# Altium PCB LimeSDR_1v2s.PcbDoc (part 9 of 9)
Units mm, origin at the board's own origin, x right, y up, seen from the top; angles counter-clockwise.
Board outline 100 x 60 mm, 12 copper layers (Top, L2, L3, L4, L5, L6, L7, L8, L9, L10, L11, Bottom), stack 1.58 mm thick; 795 components, 584 nets, 3854 pads, 2079 vias.
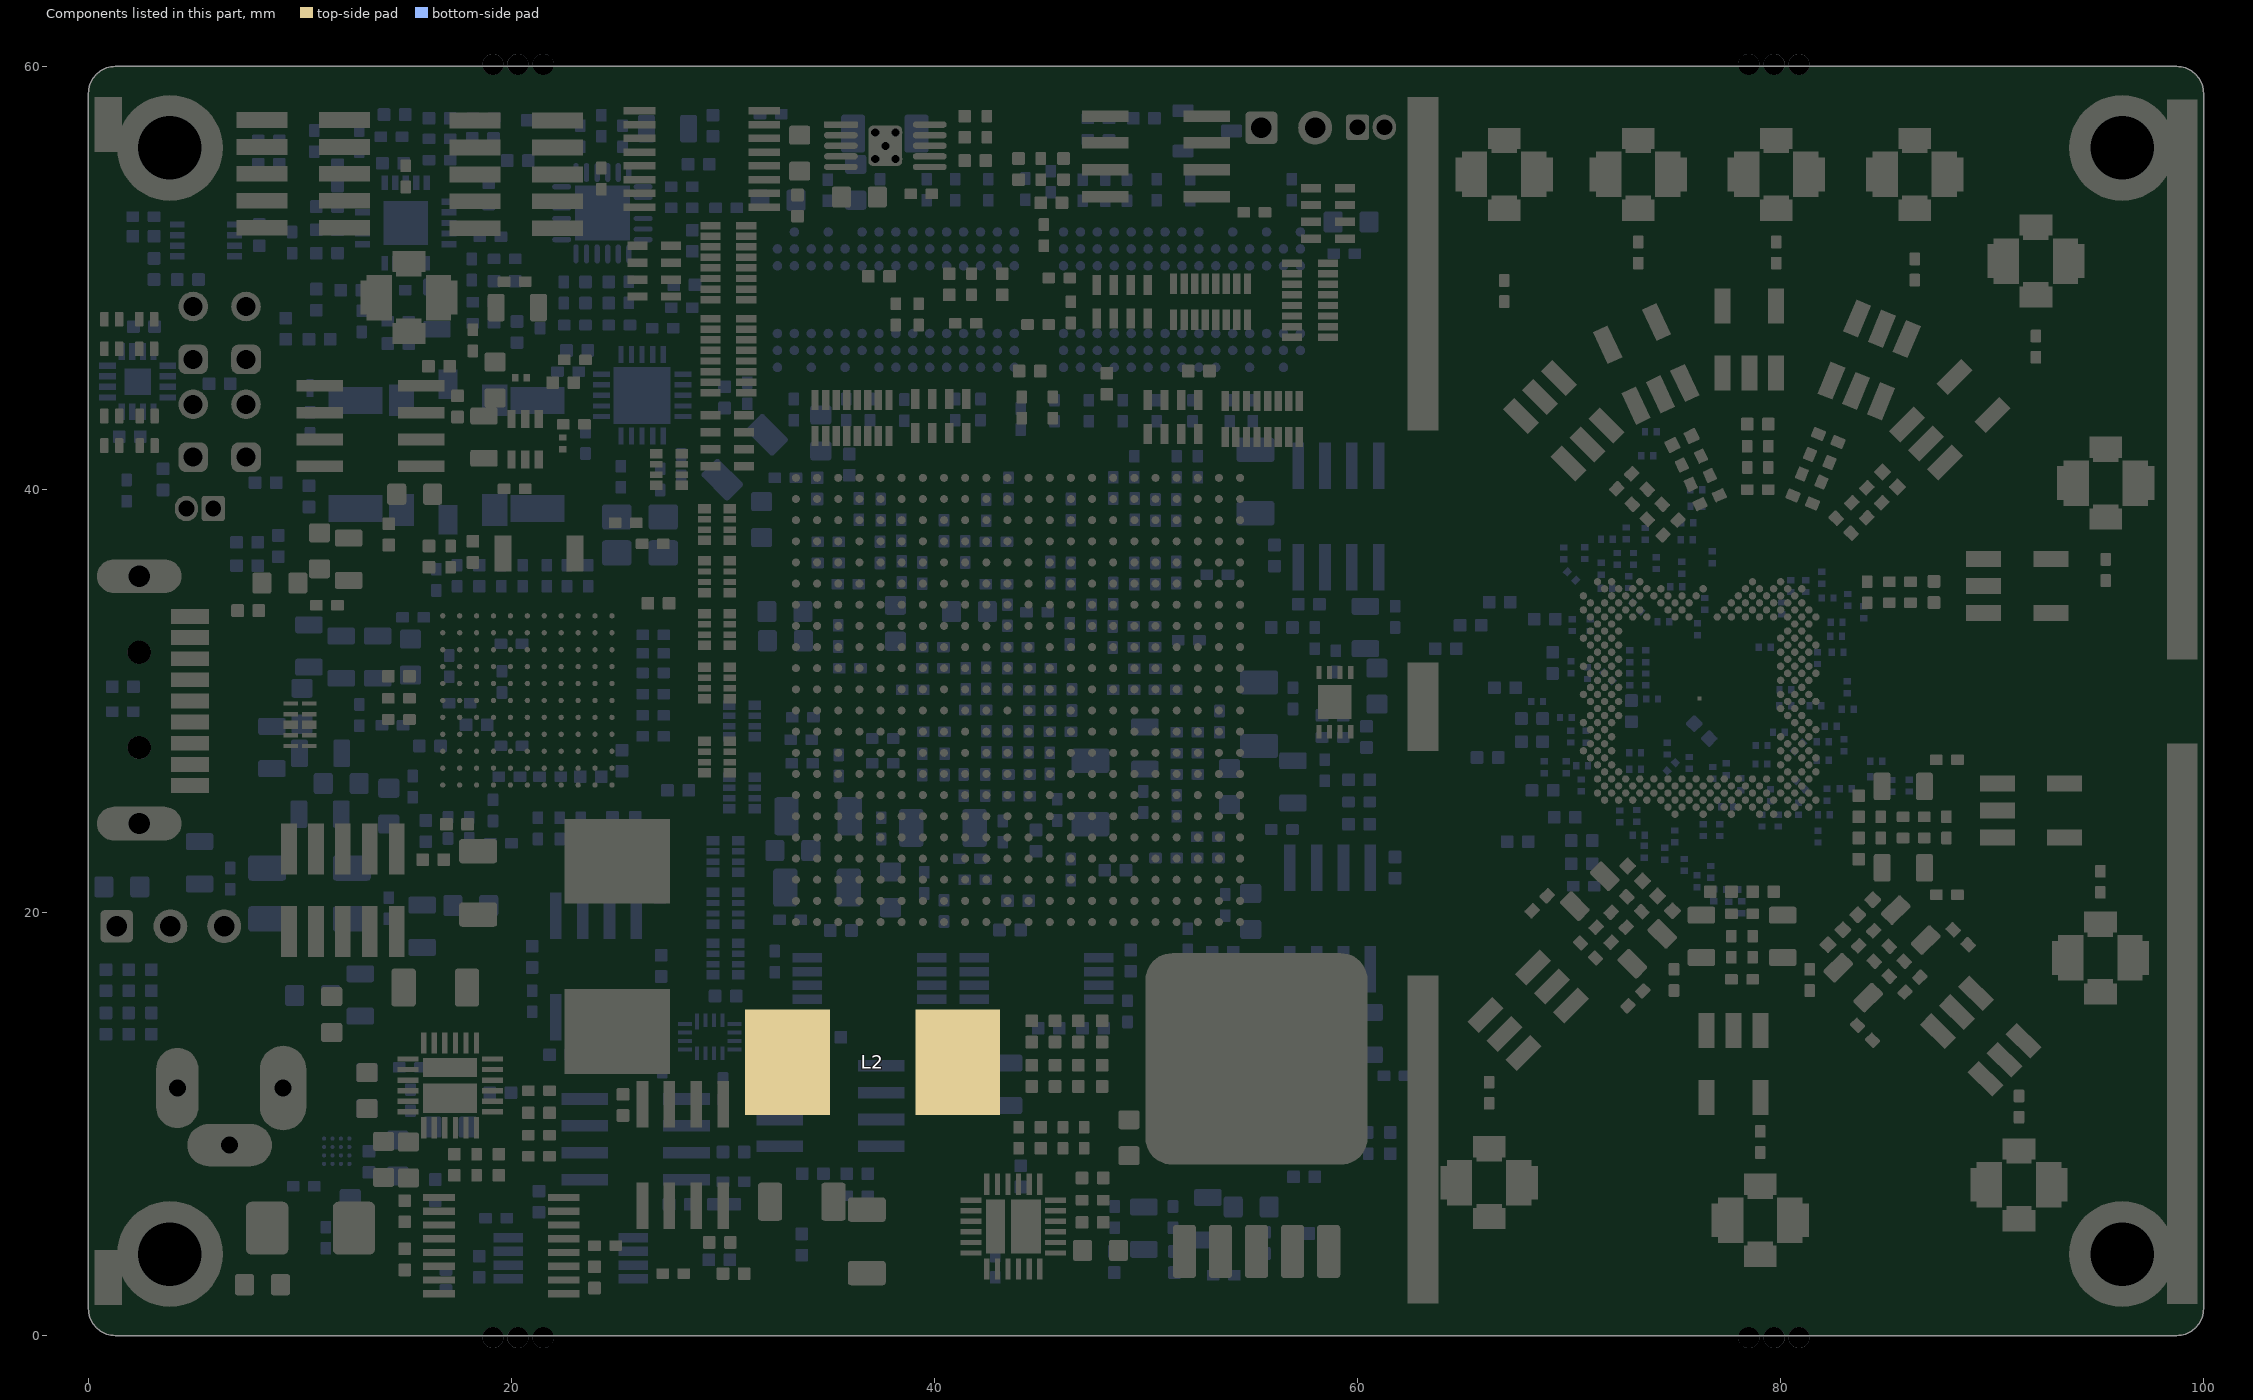
[diagram p19: the components of this part, seen from the top]

## Keep-outs
Top:
  region net GND: 1.25,0.225 98.8,0.225 98.8,1.525 1.25,1.525
  region net GND: 1.25,59.775 98.8,59.775 98.8,58.475 1.25,58.475
  region net GND: 1.45,0.225 1.25,0.225 cw(c1.25,1.25) 0.225,1.25 0.225,1.525 1.45,1.525
  region net GND: 98.566,0.225 98.766,0.225 ccw(c98.766,1.25) 99.791,1.25 99.791,1.525 98.566,1.525
  region net GND: 98.566,59.775 98.766,59.775 cw(c98.766,58.75) 99.791,58.75 99.791,58.475 98.566,58.475
  region net GND: 1.45,59.775 1.25,59.775 ccw(c1.25,58.75) 0.225,58.75 0.225,58.475 1.45,58.475
Bottom:
  region net GND: 1.25,0.225 98.8,0.225 98.8,1.525 1.25,1.525
  region net GND: 1.25,59.775 98.8,59.775 98.8,58.475 1.25,58.475
  region net GND: 1.45,0.225 1.25,0.225 cw(c1.25,1.25) 0.225,1.25 0.225,1.525 1.45,1.525
  region net GND: 98.566,0.225 98.766,0.225 ccw(c98.766,1.25) 99.791,1.25 99.791,1.525 98.566,1.525
  region net GND: 98.566,59.775 98.766,59.775 cw(c98.766,58.75) 99.791,58.75 99.791,58.475 98.566,58.475
  region net GND: 1.4,59.775 1.2,59.775 ccw(c1.2,58.75) 0.175,58.75 0.175,58.475 1.4,58.475

## Other copper
Top:
  region net VCC5P0_USB: 7.35,33.925 7.45,34.025 7.45,34.975 7.275,35.15 6.125,35.15 5.95,34.975 5.95,34.55 6.575,33.925
  region net GND: 64.009,54.1 63.5,54.1 63.5,56.1 64.009,56.1
  region net VTT_DDR2: 27.075,48.925 27.075,50.175 28.025,50.175 28.025,48.925
  region net NetC277_2: 14.625,43.975 19.25,43.975 19.45,43.775 19.45,43.075 19.35,42.975 14.625,42.975
  region net GND: 98.9,55.95 95.95,58.9 98.9,58.9
  region net GND: 98.9,4.05 95.95,1.1 98.9,1.1
  region net VCC3P3_CLK: 15.275,36.625 15.275,34.9 15.825,34.35 16.25,34.35 16.475,34.575 16.475,36.125 15.975,36.625
  pour cut-out: 3,36.5 7.975,36.5 9.15,35.325 10.325,35.325 11.45,34.2 16.575,34.2 17.15,33.625 17.15,27.225 16.975,27.225 14.3,24.55 9.1,24.55 7.2,22.65 2.975,22.65
  pour cut-out: 63.85,1.525 63.85,58.55 99.725,58.55 99.725,1.591 99.791,1.525
  region net VCC1P8_LMS: 19.675,47.85 19.675,49.35 19.075,49.35 18.85,49.575 18.5,49.575 18.35,49.425 18.35,48.775 18.575,48.55 18.575,47.45 18.975,47.05 19.325,47.05 19.325,47.5
  region net VTT_DDR2: 54.325,48.55 53.75,49.125 52.8,49.125 52.225,48.55
  region net VTT_DDR2: 34.35,56.85 34.35,57.625 34.225,57.75 33.225,57.75 33.1,57.625 33.1,56.375 33.2,56.275 33.725,56.275 34.3,56.85
  region net VTT_DDR2: 29.075,47.475 28.65,47.475 28.325,47.15 28.325,46.15 28.65,45.825 29.075,45.825
  region net VTT_DDR2: 28.925,49.725 27.075,49.725 27.075,51.725 28.025,52.675 28.925,52.675
  region net VTT_DDR2: 28.925,40.9 28.925,43.6 29.275,43.95 29.275,44.25 28.925,44.6 28.925,52.675 29.875,52.675 29.875,40.9
  region net VTT_DDR2: 57.275,43.1 58,43.825 58,47.15 58.95,47.15 59.075,47.025 59.075,43.175 57.9,42 57.425,42 57.275,42.15
  region net VCC3P3: 49.175,56.1 46.975,56.1 45.975,57.1 42.6,57.1 42.6,58.15 42.775,58.325 48.8,58.325 49.175,57.95
  region net VTT_DDR2: 49.875,43.1 57.275,43.1 57.425,42.95 57.425,42 50.025,42 49.875,42.15
  region net VTT_DDR2: 47.475,48.55 54.925,48.55 54.975,48.5 54.975,47.55 47.525,47.55 47.475,47.6
  region net VTT_DDR2: 34.175,43 34.325,43.15 41.7,43.15 41.7,42.225 41.525,42.05 34.175,42.05
  region net NetC262_2: 49.2,54.725 46.975,54.725 46.35,55.35 43.6,55.35 43.45,55.5 43.45,56.1 43.6,56.25 46.45,56.25 47.15,55.55 49.2,55.55
  region net NetIC26_4: 45.75,54.95 46.45,54.95 47,54.4 49.15,54.4 49.35,54.2 49.35,53.45 49.15,53.25 46.025,53.25 45.725,53.55 45.725,54.85 45.825,54.95
  region net VCC3P3: 38.95,57.1 42.6,57.1 42.775,57.275 42.775,58.325 39.8,58.325 38.95,57.475
  region net VCC_INT: 11.575,36.1 13.875,36.1 13.975,36 13.975,34.675 13.775,34.475 11.85,34.475 11.575,34.75
  region net +1.8V_DIG_LMK: 20.35,47.85 20.35,49.475 20.35,50.175 20.5,50.325 21.75,50.325 21.975,50.1 21.975,48.125 21.7,47.85
  region net GND: 1.25,0.225 98.8,0.225 98.8,1.525 1.25,1.525
  region net GND: 1.25,59.775 98.8,59.775 98.8,58.475 1.25,58.475
  region net NetC271_1: 46.975,7.15 45.6,7.15 45.1,6.65 44.85,6.65 44.85,7.65 45.825,8.625 45.825,9 46.325,9 46.325,8.4 46.975,7.75
  region net VCC_INT: 45.225,4.525 45.225,3.775 45.1,3.65 43.85,3.65 43.85,2.35 44.475,1.725 47.475,1.725 47.475,4.525
  region net NetC259_2: 43.1,6.65 43.325,6.425 43.325,3.875 43.1,3.65 43.1,3.425 42.85,3.425 42.85,3.65 42.425,4.075 42.425,6.075 42.225,6.275 40.925,6.275 40.7,6.5 40.7,14.3 43,14.3 43.1,14.2
  region net VCC1P2: 39.95,5.375 40.025,5.45 40.025,7.45 39.8,7.675 37.975,7.675 37.425,8.225 37.425,14.525 37.15,14.8 35.05,14.8 34.75,14.5 34.75,5.65 35.025,5.375
  region net VCC1P8_LMS: 87.105,27.472 86.405,26.772 86.405,25.447 86.555,25.297 87.355,25.297 87.68,25.622 87.68,27.472
  region net GND: 88.38,27.472 88.68,27.772 89.105,27.772 89.23,27.647 89.23,26.797 89.105,26.672 88.68,26.672 88.38,26.972
  region net VCC1P8_LMS: 68.982,21.166 69.972,21.166 70.909,20.229 70.909,20.017 70.343,19.452 69.883,19.452 68.575,20.76
  region net VCC1P8_LMS: 87.105,20.573 86.405,21.273 86.405,22.598 86.555,22.748 87.355,22.748 87.68,22.423 87.68,20.573
  region net VCC1P8_LMS: 83.275,14.676 83.275,15.666 84.212,16.603 84.424,16.603 84.99,16.037 84.99,15.578 83.681,14.27
  region net GND: 84.529,14.127 84.954,14.127 85.254,13.827 85.254,13.65 84.653,13.049 84.476,13.049 84.176,13.35 84.176,13.774
  region net GND: 81.63,16.299 81.93,15.999 81.93,15.574 81.805,15.449 80.955,15.449 80.83,15.574 80.83,15.999 81.13,16.299
  region net VCC1P8_LMS: 81.63,17.574 80.93,18.274 79.605,18.274 79.455,18.124 79.455,17.324 79.78,16.999 81.63,16.999
  region net VCC1P8_LMS: 73.86,16.288 73.86,17.278 72.923,18.215 72.711,18.215 72.145,17.649 72.145,17.189 73.453,15.881
  region net GND: 72.958,15.386 72.958,14.962 72.658,14.662 72.481,14.662 71.88,15.263 71.88,15.439 72.181,15.74 72.605,15.74
  region net GND: 75.23,16.299 75.53,15.999 75.53,15.574 75.405,15.449 74.555,15.449 74.43,15.574 74.43,15.999 74.73,16.299
  region net VCC1P8_LMS: 74.731,17.574 75.431,18.274 76.756,18.274 76.906,18.124 76.906,17.324 76.581,16.999 74.731,16.999
  region net RXRF2_HAB_N: 79.326,36.044 79.301,35.844 79.401,35.944
  region net GND: 68.433,19.912 68.433,19.488 68.132,19.187 67.956,19.187 67.355,19.788 67.355,19.965 67.655,20.265 68.079,20.265
  region net GND: 72.201,30.969 72.901,30.969 72.901,30.469 72.601,30.469
  region net GND: 88.38,21.072 88.68,21.372 89.105,21.372 89.23,21.247 89.23,20.397 89.105,20.272 88.68,20.272 88.38,20.572
  region net VCC1P8_LMS: 88.153,19.554 87.163,19.554 86.226,18.618 86.226,18.405 86.792,17.84 87.252,17.84 88.56,19.148
  region net GND: 89.055,18.653 89.479,18.653 89.78,18.352 89.78,18.176 89.179,17.575 89.002,17.575 88.701,17.875 88.701,18.299
  region net RXRF2_WAB_N: 81.051,34.924 81.226,34.874 81.226,34.924
  region net RXRF2_WAB_N: 81.051,35.019 81.226,35.069 81.226,35.019
  region net RXRF2_HAB_P: 79.676,35.644 79.801,35.844 79.676,35.844
  region net TXRF1_1AB_P: 79.639,24.344 79.564,24.344 79.464,24.444
  region net TXRF2_1AB_P: 78.085,24.344 78.11,24.069 78.085,24.069
  region net TXRF2_1AB_N: 78.276,24.344 78.251,24.069 78.276,24.069
  region net TXRF2_1AB_P: 77.96,24.369 77.91,24.019 77.96,24.019
  region net TXRF2_1AB_N: 78.401,24.394 78.451,24.044 78.401,24.044
  region net NetC240_2: 18.6,12.45 18.375,12.225 15.825,12.225 15.6,12.45 15.375,12.45 15.375,12.7 15.6,12.7 16.025,13.125 18.025,13.125 18.225,13.325 18.225,14.625 18.45,14.85 26.25,14.85 26.25,12.55 26.15,12.45
  region net VCC3P3: 17.325,15.6 17.4,15.525 19.4,15.525 19.625,15.75 19.625,17.575 20.175,18.125 26.475,18.125 26.75,18.4 26.75,20.5 26.45,20.8 17.6,20.8 17.325,20.525
  region net NetC252_1: 19.1,8.575 19.1,9.95 18.6,10.45 18.6,10.7 19.6,10.7 20.575,9.725 20.95,9.725 20.95,9.225 20.35,9.225 19.7,8.575
  region net VCC_INT: 16.475,10.325 15.725,10.325 15.6,10.45 15.6,11.7 14.3,11.7 13.675,11.075 12.15,11.075 12.15,9.25 16.475,9.25
  region net GND: 78.24,6.525 76.39,6.525 76.115,6.25 76.115,4.25 77.665,2.7 79.04,2.7 79.04,4.475 78.24,4.475
  region net GND: 79.84,6.525 81.69,6.525 81.965,6.25 81.965,4.25 80.415,2.7 79.04,2.7 79.04,4.475 79.84,4.475
  region net GND: 67.025,8.3 68.875,8.3 69.15,8.025 69.15,6.025 67.6,4.475 66.225,4.475 66.225,6.25 67.025,6.25
  region net GND: 65.425,8.3 63.575,8.3 63.3,8.025 63.3,6.025 64.85,4.475 66.225,4.475 66.225,6.25 65.425,6.25
  region net GND: 92.075,8.2 93.925,8.2 94.2,7.925 94.2,5.925 92.65,4.375 91.275,4.375 91.275,6.15 92.075,6.15
  region net GND: 90.475,8.2 88.625,8.2 88.35,7.925 88.35,5.925 89.9,4.375 91.275,4.375 91.275,6.15 90.475,6.15
  region net GND: 95.925,18.925 97.775,18.925 98.05,18.65 98.05,16.65 96.5,15.1 95.125,15.1 95.125,16.875 95.925,16.875
  region net GND: 94.325,18.925 92.475,18.925 92.2,18.65 92.2,16.65 93.75,15.1 95.125,15.1 95.125,16.875 94.325,16.875
  region net GND: 94.575,39.225 92.725,39.225 92.45,39.5 92.45,41.5 94,43.05 95.375,43.05 95.375,41.275 94.575,41.275
  region net GND: 96.175,39.225 98.025,39.225 98.3,39.5 98.3,41.5 96.75,43.05 95.375,43.05 95.375,41.275 96.175,41.275
  region net GND: 91.275,49.725 89.425,49.725 89.15,50 89.15,52 90.7,53.55 92.075,53.55 92.075,51.775 91.275,51.775
  region net GND: 92.875,49.725 94.725,49.725 95,50 95,52 93.45,53.55 92.075,53.55 92.075,51.775 92.875,51.775
  region net GND: 85.55,53.825 83.7,53.825 83.425,54.1 83.425,56.1 84.975,57.65 86.35,57.65 86.35,55.875 85.55,55.875
  region net GND: 87.15,53.825 89,53.825 89.275,54.1 89.275,56.1 87.725,57.65 86.35,57.65 86.35,55.875 87.15,55.875
  region net GND: 79,53.825 77.15,53.825 76.875,54.1 76.875,56.1 78.425,57.65 79.8,57.65 79.8,55.875 79,55.875
  region net GND: 80.6,53.825 82.45,53.825 82.725,54.1 82.725,56.1 81.175,57.65 79.8,57.65 79.8,55.875 80.6,55.875
  region net GND: 72.475,53.825 70.625,53.825 70.35,54.1 70.35,56.1 71.9,57.65 73.275,57.65 73.275,55.875 72.475,55.875
  region net GND: 74.075,53.825 75.925,53.825 76.2,54.1 76.2,56.1 74.65,57.65 73.275,57.65 73.275,55.875 74.075,55.875
  region net GND: 66.134,53.825 64.284,53.825 64.009,54.1 64.009,56.1 65.559,57.65 66.934,57.65 66.934,55.875 66.134,55.875
  region net GND: 67.734,53.825 69.584,53.825 69.859,54.1 69.859,56.1 68.309,57.65 66.934,57.65 66.934,55.875 67.734,55.875
  region net GND: 17.75,31.75 16.475,31.75 16.375,31.65 16.375,31.2 16.45,31.125 16.925,31.125 17.5,30.55 17.625,30.55 17.65,30.575 17.65,31.45 17.75,31.55
  region net GND: 17.5,30.55 17.825,30.225 18.1,30.225 18.15,30.275 18.15,30.513 17.65,31.013
  region net VCC_INT: 16.475,9.25 15.95,8.725 12.425,8.725 12.25,8.9 12.275,8.925 12.275,9.25
  region net NetC228_2: 28.525,7.325 28.125,6.925 28.125,3.55 27.85,3.275 27.85,2.575 28.1,2.325 30.05,2.325 30.3,2.575 30.3,3.275 29.65,3.925 29.65,4.75 29.375,5.025 29.375,6.925 28.975,7.325
  region net VCC3P3: 22.5,24.425 21.825,24.425 21,23.6 21,21.45 20.35,20.8 22.5,20.8
  region net GND: 74.717,24.35 75.275,24.35 75.362,24.262 75.175,24.075 74.675,24.075
  region net VCC1P8_DDR2: 36.375,56.575 36.575,56.775 36.575,58.325 34.5,58.325 34.5,56.925 34.85,56.575
  region net VREF_DDR2: 38.825,55.4 38.55,55.125 38.55,54.725 38.95,54.325 39.575,54.325 39.575,53.625 41.3,53.625 42.05,54.375 42.05,54.925 41.875,55.1 40.875,55.1 40.575,55.4
  region net VCC2P5: 30.7,3.275 30.975,3.55 31.725,3.55 31.925,3.35 31.925,2.025 31.675,1.775 30.875,1.775 30.7,1.95
  region net VCC2P5A: 44.25,12.075 48.575,12.075 49.1,11.55 49.1,10.975 48.925,10.8 45.975,10.8 45.3,11.475 44.3,11.475 44.25,11.525
  region net VCC1P2: 31.05,15.425 31.55,15.925 31.55,16.625 31.8,16.875 34.6,16.875 35.05,16.425 35.05,15.425
  region net VCC3P3: 25.825,4.975 27.75,4.975 27.85,5.075 27.85,7.225 27.75,7.325 25.775,7.325 25.7,7.25 25.7,5.1
  region net NetC237_1: 11.5,3.5 11.75,3.25 13.6,3.25 14.075,3.725 14.075,6.225 13.775,6.525 11.75,6.525 11.5,6.275
  region net VCC_EXT: 6.875,4.075 7.175,3.775 9.675,3.775 9.975,4.075 9.975,6.225 9.675,6.525 7.15,6.525 6.875,6.25
  region net VCC_INT: 12.275,8.925 12.275,8.475 12.625,8.125 13.4,8.125 13.825,8.55 13.825,8.9 13.8,8.925
  region net GND: 1.1,4.05 4.05,1.1 1.1,1.1
  region net GND: 1.1,55.95 4.05,58.9 1.1,58.9
  region net GND: 9.45,34.1 9.55,34 10.225,34 10.35,34.125 10.35,35.95 10.25,36.05 9.65,36.05 9.45,35.85
  region net FX3_VBUS: 8.8,33.85 7.825,33.85 7.75,33.925 7.75,35.9 8.275,35.9 8.925,35.25 8.925,33.975
  region net NetC276_2: 52.73,5.245 52.278,5.698 52.278,6.5 52.526,6.749 53.831,6.749 54.28,6.3 54.28,2.85 54.03,2.6 52.98,2.6 52.73,2.85
  region net VCC1P8: 10.825,13.75 13.2,13.75 13.325,13.875 13.325,14.875 13.2,15 10.825,15 10.7,14.875 10.7,13.875
  region net NetC280_2: 13.075,37.3 13.075,39.975 12.45,40.6 11.05,40.6 10.05,39.6 10.05,37.825 10.575,37.3
  region net NetC280_2: 11.975,40.6 12.2,40.825 12.2,41.8 13.15,42.75 16.825,42.75 16.825,41.625 14.275,41.625 13.225,40.575 13.225,39.925 13,39.7 11.975,39.7
  region net NetIC30_4: 14.625,45.2 16.175,45.2 17,46.025 17.25,46.025 17.75,45.525 17.75,44.175 17.8,44.125 16.675,44.125 16.175,44.625 14.625,44.625
  region net NetC277_2: 19.45,43.075 19.65,43.275 19.65,43.9 19.575,43.975 19.25,43.975
  region net NetC281_2: 16.825,41.4 14.525,41.4 13.875,40.75 13.875,39.775 13.625,39.525 13.625,38.275 13.825,38.075 15.125,38.075 15.425,38.375 15.425,40.375 15.75,40.7 16.825,40.7
  region net GND: 98.441,0.225 98.641,0.225 ccw(c98.641,1.25) 99.666,1.25 99.666,1.525 98.441,1.525
  region net GND: 1.45,0.225 1.25,0.225 cw(c1.25,1.25) 0.225,1.25 0.225,1.525 1.45,1.525
  region net GND: 1.6,59.775 1.4,59.775 ccw(c1.4,58.75) 0.375,58.75 0.375,58.475 1.6,58.475
  region net GND: 98.566,59.775 98.766,59.775 cw(c98.766,58.75) 99.791,58.75 99.791,58.475 98.566,58.475
  text "Layer" at 123.714,139.868 h1.52
  text "Name" at 134.126,139.868 h1.52
  text "Material" at 156.218,139.868 h1.52
  text "Thickness" at 178.056,139.868 h1.52
  text "Constant" at 194.562,139.868 h1.52
  text "Board Layer Stack" at 209.037,139.868 h1.52
  text "1" at 123.714,136.82 h1.52
  text "TopOverlay" at 134.126,136.82 h1.52
  text "2" at 123.714,133.772 h1.52
  text "TopSolder" at 134.126,133.772 h1.52
  text "Solder Resist" at 156.218,133.772 h1.52
  text "0,40mil" at 178.056,133.772 h1.52
  text "3,5" at 194.562,133.772 h1.52
  text "3" at 123.714,130.724 h1.52
  text "Top" at 134.126,130.724 h1.52
  text "Copper" at 156.218,130.724 h1.52
  text "0,70mil" at 178.056,130.724 h1.52
  text "4" at 123.714,127.676 h1.52
  text "Dielectric1" at 134.126,127.676 h1.52
  text "FR-4" at 156.218,127.676 h1.52
  text "6,69mil" at 178.056,127.676 h1.52
  text "4,8" at 194.562,127.676 h1.52
  text "5" at 123.714,124.628 h1.52
  text "L2" at 134.126,124.628 h1.52
  text "Copper" at 156.218,124.628 h1.52
  text "1,40mil" at 178.056,124.628 h1.52
  text "6" at 123.714,121.58 h1.52
  text "Dielectric2" at 134.126,121.58 h1.52
  text "FR-4" at 156.218,121.58 h1.52
  text "3,94mil" at 178.056,121.58 h1.52
  text "4,2" at 194.562,121.58 h1.52
  text "7" at 123.714,118.532 h1.52
  text "L3" at 134.126,118.532 h1.52
  text "Copper" at 156.218,118.532 h1.52
  text "1,18mil" at 178.056,118.532 h1.52
  text "8" at 123.714,115.484 h1.52
  text "Dielectric3" at 134.126,115.484 h1.52
  text "FR-4" at 156.218,115.484 h1.52
  text "3,94mil" at 178.056,115.484 h1.52
  text "4,2" at 194.562,115.484 h1.52
  text "9" at 123.714,112.436 h1.52
  text "L4" at 134.126,112.436 h1.52
  text "Copper" at 156.218,112.436 h1.52
  text "1,34mil" at 178.056,112.436 h1.52
  text "10" at 123.714,109.388 h1.52
  text "Dielectric 4" at 134.126,109.388 h1.52
  text "3,94mil" at 178.056,109.388 h1.52
  text "4,2" at 194.562,109.388 h1.52
  text "11" at 123.714,106.34 h1.52
  text "L5" at 134.126,106.34 h1.52
  text "Copper" at 156.218,106.34 h1.52
  text "1,18mil" at 178.056,106.34 h1.52
  text "12" at 123.714,103.292 h1.52
  text "Dielectric 10" at 134.126,103.292 h1.52
  text "3,54mil" at 178.056,103.292 h1.52
  text "4,2" at 194.562,103.292 h1.52
  text "13" at 123.714,100.244 h1.52
  text "L6" at 134.126,100.244 h1.52
  text "Copper" at 156.218,100.244 h1.52
  text "1,18mil" at 178.056,100.244 h1.52
  text "14" at 123.714,97.196 h1.52
  text "Dielectric 11" at 134.126,97.196 h1.52
  text "3,54mil" at 178.056,97.196 h1.52
  text "4,2" at 194.562,97.196 h1.52
  text "15" at 123.714,94.148 h1.52
  text "L7" at 134.126,94.148 h1.52
  text "Copper" at 156.218,94.148 h1.52
  text "1,42mil" at 178.056,94.148 h1.52
  text "16" at 123.714,91.1 h1.52
  text "Dielectric 5" at 134.126,91.1 h1.52
  text "3,94mil" at 178.056,91.1 h1.52
  text "4,2" at 194.562,91.1 h1.52
  text "17" at 123.714,88.052 h1.52
  text "L8" at 134.126,88.052 h1.52
  text "Copper" at 156.218,88.052 h1.52
  text "1,42mil" at 178.056,88.052 h1.52
  text "18" at 123.714,85.004 h1.52
  text "Dielectric 7" at 134.126,85.004 h1.52
  text "3,94mil" at 178.056,85.004 h1.52
  text "4,2" at 194.562,85.004 h1.52
  text "19" at 123.714,81.956 h1.52
  text "L9" at 134.126,81.956 h1.52
  text "Copper" at 156.218,81.956 h1.52
  text "1,18mil" at 178.056,81.956 h1.52
  text "20" at 123.714,78.908 h1.52
  text "Dielectric 6" at 134.126,78.908 h1.52
  text "3,94mil" at 178.056,78.908 h1.52
  text "4,2" at 194.562,78.908 h1.52
  text "21" at 123.714,75.86 h1.52
  text "L10" at 134.126,75.86 h1.52
  text "Copper" at 156.218,75.86 h1.52
  text "1,18mil" at 178.056,75.86 h1.52
  text "22" at 123.714,72.812 h1.52
  text "Dielectric 8" at 134.126,72.812 h1.52
  text "3,94mil" at 178.056,72.812 h1.52
  text "4,2" at 194.562,72.812 h1.52
  text "23" at 123.714,69.764 h1.52
  text "L11" at 134.126,69.764 h1.52
  text "Copper" at 156.218,69.764 h1.52
  text "1,18mil" at 178.056,69.764 h1.52
  text "24" at 123.714,66.716 h1.52
  text "Dielectric 9" at 134.126,66.716 h1.52
  text "6,81mil" at 178.056,66.716 h1.52
  text "4,2" at 194.562,66.716 h1.52
  text "25" at 123.714,63.668 h1.52
  text "Bottom" at 134.126,63.668 h1.52
  text "Copper" at 156.218,63.668 h1.52
  text "0,70mil" at 178.056,63.668 h1.52
  text "26" at 123.714,60.62 h1.52
  text "BottomSolder" at 134.126,60.62 h1.52
  text "Solder Resist" at 156.218,60.62 h1.52
  text "0,40mil" at 178.056,60.62 h1.52
  text "3,5" at 194.562,60.62 h1.52
  text "27" at 123.714,57.572 h1.52
  text "BottomOverlay" at 134.126,57.572 h1.52
L2:
  region net GND: 13.7,37.775 13.85,37.925 13.85,38.425 13.675,38.6 9.472,38.6 9.295,38.423 9.3,38.418 9.3,38.3 9.119,38.119 9.098,38.119 9.05,38.072 9.05,37.775
  region net FX3_GND: 9.192,37.175 13.408,37.175 13.408,36.658 13.15,36.4 9.275,36.4 9.2,36.475
L3:
  region net VCC2P5A: 49.675,12.575 49.675,13.8 48.825,14.65 48.382,14.65 47.857,14.125 47.857,13.843 48.25,13.45 48.25,12.775 48.45,12.575
  region net VDIO_LMS: 48.65,5.575 48.65,6.5 48.85,6.7 50.85,6.7 51.025,6.525 51.025,5.575 50.85,5.4 48.825,5.4
  region net VCC3P3_CLK: 23.125,46.75 24.875,46.75 25,46.625 25,46.275 24.875,46.15 24.175,46.15 23.575,45.55 23.125,45.55
L5:
  region net VDIO_LMS: 72.3,28.85 72.45,29 73,29 73.175,28.825 73.175,28.225 73,28.05 72.425,28.05 72.3,28.175 72.3,28.425 72.125,28.6 72.125,28.7
L8:
  region net VCC1P8_LMS: 63.3,35.925 63.275,35.425 63.4,35.3 63.736,35.3 64.2,35.6 64.2,35.9
  region net VCC1P8_LMS: 66.575,41.025 64.675,41.025 63.659,42.041 62.847,42.041 62.283,41.477 62.283,41.292 65.2,38.375 65.375,38.375 66.575,39.575
L9:
  region net FX3_VBUS: 8.925,33.938 9.1,34.113 9.1,34.8 8.913,34.988 8.425,34.987 8.225,34.787 8.225,34.112 8.4,33.937
L10:
  region net VCC1P25_LMS: 64.925,18.275 63.65,18.275 63.15,17.775 62.6,17.775 62.425,17.6 62.425,16.975 63.125,16.275 64.85,16.275
  region net VCC1P25_LMS: 61.55,41.925 62.5,41.925 62.975,42.4 62.975,42.825 62.925,42.875 61.55,42.875
  region net VCC1P25_LMS: 55.375,34.7 56.525,34.7 57.9,36.075 57.9,38.2 55.375,38.2
  text "A" at 96.275,9.125 h0.7
  text "V" at 97.275,9.125 h0.7
  text "L" at 96.75,8.55 h0.7
  text "D" at 96.5,6.925 h0.7
  text "R" at 97.05,6.925 h0.7
Bottom:
  pour cut-out: 5.075,33.625 5.075,28.5 5.525,28.05 9.175,28.05 9.5,28.375 9.5,33.725 9.225,34 5.45,34
  region net VCC1P2: 7.925,27.2 7.925,25.2 8.65,24.475 9.775,24.475 9.95,24.65 9.95,27.1 9.85,27.2
  region net GND: 0.225,55.675 0.225,58.725 3.5,58.725 1.545,55.675
  region net GND: 0.225,4.5 0.225,1.45 3.5,1.45 1.545,4.5
  region net GND: 98.9,2.575 96.95,2.575 96.95,1.225 98.9,1.225
  region net VDIO_LMS_FPGA: 28.625,57.875 28.8,57.7 28.8,56.5 28.7,56.4 27.825,56.4 27.6,56.625 27.6,57.775 27.7,57.875
  region net VCC1P25_LMS_DIG: 55.25,4.175 55.25,2.525 56.1,1.675 60.225,1.675 60.55,2 60.55,3.35 60.25,3.65 59.55,3.65 59.175,3.275 57.675,3.275 56.775,4.175
  region net VCC3P3_CLK: 10.25,45.65 10.5,45.9 10.5,46.425 10.65,46.575 11.075,46.575 11.3,46.35 11.3,45.475 10.75,44.925 10.25,44.925
  region net VCC1P25_LMS_DIG: 62.575,31.7 62.825,31.45 63.3,31.45 63.975,32.125 63.975,32.825 62.7,32.825 62.575,32.7
  region net VCC1P4_LMS: 60.275,27.05 60.525,27.3 63.2,27.3 63.475,27.025 63.475,26.175 63.05,25.75 60.45,25.75 60.275,25.925
  region net VCC3P3: 58.8,26.925 58.8,29.5 58.625,29.675 56.825,29.675 55.675,28.525 55.15,28 55.15,27.3 55.675,26.775 58.65,26.775
  region net NetC251_2: 58.875,21.025 58.875,25.2 59.075,25.4 59.075,26.55 59.225,26.7 59.925,26.7 60.075,26.55 60.075,21.2 59.9,21.025
  region net NetIC24_4: 60.325,21.025 60.275,21.075 60.275,24.525 60.9,24.525 62.125,23.3 62.125,22.325 61.425,22.325 61.1,22 61.1,21.225 60.9,21.025
  region net NetC264_2: 59.45,37.45 59.45,34.25 59.625,34.075 62.025,34.075 62.125,34.175 62.125,36.9 61.575,37.45
  region net VCC1P25_LMS: 56.225,34.65 55.625,35.25 55.625,35.95 55.45,36.125 54.6,36.125 54.425,35.95 54.425,33.6 54.9,33.125 56.225,33.125
  region net NetIC27_4: 57.5,34.225 57.5,36.25 57.075,36.675 55.725,36.675 55.725,35.325 56.825,34.225
  region net NetC265_2: 58.175,37.6 57.875,37.3 57.875,34.15 57.725,34 56.8,34 56.625,33.825 56.625,33.125 56.825,32.925 58.725,32.925 59.125,33.325 59.125,37.275 58.8,37.6
  region net VCC3P3: 58.625,32.775 59.325,32.775 59.575,33.025 59.575,33.425 59.625,33.475 60.95,33.475 61.125,33.3 61.125,32.15 61,32.025 58.75,32.025 58.625,32.15
  region net VCC5P0_USB: 11.775,6.025 11.338,6.462 11.338,7.363 13.612,7.363 13.613,7.363 13.613,6.663 12.975,6.025
  region net VCC3P3: 52.075,3.275 52.25,3.45 52.25,4.95 52.375,5.075 53.425,5.075 53.575,4.925 53.575,4.225 53.575,2.2 53.325,1.95 51.225,1.95 50.925,2.25 50.925,3.05 51.15,3.275
  region net NetC77_1: 69.938,35.842 69.796,35.7 69.225,35.7 69.201,35.724 69.201,36.855
  region net VCC3P3: 54.725,6.975 54.725,14.75 55.85,15.875 57.625,15.875 57.65,15.85 57.65,15.025 56.275,13.65 56.275,7.25 56,6.975
  region net GND: 54.55,15.05 55.6,16.1 62.138,16.1 62.138,18.525 56.325,18.525 54.825,18.525 54.65,18.35 54.65,17.875 54.35,17.575 51.175,17.575 50.8,17.2 50.8,14.925 50.2,14.325 50.2,7.375 50.525,7.05 54.55,7.05
  region net VDIO_LMS_FPGA: 48.2,4.475 48.2,3.7 48.4,3.5 49.675,3.5 49.675,3.475 50.025,3.125 50.75,3.125 50.75,3.15 51.275,3.675 51.7,3.675 51.7,4.325 51.55,4.475
  region net VCC3P3: 15.025,18.75 15.175,18.9 17.85,18.9 18.25,18.5 18.25,17.975 17.925,17.65 15.2,17.65 15.025,17.825
  region net VCC1P8: 12.175,13.75 12.175,15.425 12.275,15.525 13.4,15.525 13.6,15.325 13.6,13.9 13.45,13.75
  region net VCC1P8_FX3: 11.925,15.5 11.925,15.925 12.1,16.1 13.275,16.1 13.55,16.375 13.55,17.5 13.4,17.65 11.475,17.65 11,17.175 11,15.6 11.1,15.5
  region net VDIO_LMS: 33.275,15.675 33.275,17.425 34.7,17.425 34.7,15.675
  region net NetC162_1: 15.825,30.1 16.05,30.325 16.525,30.325 16.65,30.45 16.65,30.9 16.525,31.025 16.025,31.025 15.875,30.875 15.875,30.775 15.775,30.675 15.575,30.675 15.375,30.475 15.8,30.05 15.825,30.05
  region net GND: 1.25,0.225 98.8,0.225 98.8,1.525 1.25,1.525
  region net GND: 1.25,59.775 98.8,59.775 98.8,58.475 1.25,58.475
  region net NetC259_2: 43.125,3.45 42.625,3.45 42.625,6.175 42.725,6.275 43.025,6.275 43.125,6.175
  region net NetC240_2: 15.4,12.425 15.4,12.925 18.125,12.925 18.225,12.825 18.225,12.525 18.125,12.425
  region net +1.8V_DIG_LMK: 20.8,49.088 21.75,49.088 22.15,49.488 22.725,49.488 23,49.763 23,51.563 22.875,51.563 20.8,49.488
  region net VCC3P3_CLK: 14.65,54.15 14.65,54.975 14.15,54.975 14.15,55.925 13.475,55.925 13.475,54.15
  region net GND: 13.475,51.45 13.475,50 13.5,49.975 14.65,49.975 14.65,51.45
  region net GND: 13.55,53.65 14.3,53.65 14.3,51.4 13.55,51.4
  region net NetC204_2: 15.35,51.05 15.35,49.925 16.55,49.925 16.55,51.05
  region net GND: 15.85,54.025 16.6,54.025 16.6,51.175 15.85,51.175
  region net GND: 11.975,50.075 12.2,50.075 12.2,49.875 11.975,49.875
  region net GND: 12.05,50.245 11.92,50.245 11.175,49.5 11.175,48.875 11.2,48.85 12.05,48.85
  region net NetC188_2: 3.85,51.375 3.85,52.675 4.55,52.675 4.55,51.375
  region net NetIC14_2: 6.55,52.175 6.55,51.375 7.25,51.375 7.25,52.175
  region net GND: 73.903,30.887 74.478,30.312 74.478,29.912 74.328,29.762 73.453,29.762 73.453,28.712 72.778,28.037 72.953,27.862 73.528,28.437 75.728,28.437 75.403,28.762 75.403,29.012 75.828,29.437 76.003,29.437 76.778,28.662 77.428,28.012 78.428,28.012 78.603,28.187 79.228,28.187 79.228,30.562 79.703,31.037 79.703,32.212 78.853,32.212 78.728,32.337 78.728,32.737 78.853,32.862 79.303,32.862 79.703,33.262 79.703,36.173 79.703,40.649 77.553,40.649 77.553,33.937 77.553,34.237 76.928,33.612 76.928,33.312 76.803,33.187 75.578,33.187 75.378,33.387 73.903,33.387
  region net NetC77_1: 69.938,35.842 70.451,36.355 70.451,36.655 70.451,36.78 70.351,36.88 69.226,36.88 69.201,36.855 69.201,36.58
  region net GND: 76.926,27.88 76.926,27.355 78.551,27.355 78.551,27.88
  region net GND: 71.348,32.984 71.348,32.151 71.151,31.955 70.226,31.955 70.201,31.98 70.201,33.18 70.301,33.28 71.052,33.28
  region net NetC26_1: 73.001,32.88 72.401,32.88 72.201,32.68 72.201,32.58 72.501,32.28 73.001,32.28
  region net VDIO_LMS: 72.176,28.73 72.726,29.28 72.976,29.28 72.976,28.755 72.576,28.355 72.376,28.355 72.176,28.555
  region net NetC64_1: 75.626,35.105 75.626,35.63 75.726,35.73 76.001,35.73 76.026,35.705 76.026,35.405 75.801,35.18 75.683,35.062
  region net GND: 75.801,34.33 75.951,34.48 76.551,34.48 76.551,34.155 76.376,33.98 75.926,33.98
  region net GND: 79.7,36.225 81.2,37.725 87.275,37.725 88.1,38.55 88.1,40.325 92.9,45.125 99.722,45.125 99.722,58.789 98.822,59.689 65.114,59.689 62,59.689 62,56.575 61.784,56.359 61.769,46.289 71.924,46.289 77.575,40.638 77.575,36.225
  region net NetC250_2: 56.525,21.025 56.525,23.225 56.525,24.6 56.3,24.825 56.3,25.525 56.475,25.7 56.6,25.575 56.75,25.725 57.825,25.725 58.65,24.9 58.65,21.025
  region net VDIO_LMS_LMK: 25.35,55.2 25.65,55.2 26.85,56.4 26.85,57.862 26.737,57.975 25.95,57.975 25.7,57.725 25.7,56.892 25.35,56.483
  region net +1.8V_DIG_LMK: 20.8,49.088 20.8,48.525 21,48.325 21.7,48.325 21.75,48.375 21.75,49.088
  region net NetC186_2: 10.125,43.35 11.25,43.35 11.475,43.575 11.475,44.825 11.4,44.9 10.975,44.9 10.75,44.675 10.175,44.675 10.125,44.625
  region net NetC275_2: 55.3,4.525 55.3,6.6 55.375,6.675 57.075,6.675 57.4,6.35 57.4,5.45 57,5.05 57,4.525
  region net NetIC29_5: 57.4,4.525 57.4,5.1 58.075,5.775 58.075,6.125 58.25,6.3 59,6.3 59.15,6.15 59.15,4.575 59.1,4.525 57.875,4.525
  region net NetIC21_4: 58.825,7.125 59.8,8.1 59.8,8.9 56.5,8.9 56.425,8.825 56.425,8.25 56.6,8.075 57.5,8.075 57.65,7.925 57.65,7.225 57.75,7.125
  region net NetC243_2: 56.425,12.675 59.325,12.675 59.8,13.15 59.8,13.675 61.275,13.675 61.6,13.35 61.6,11.8 60.625,10.825 56.425,10.825
  region net VCC1P25_LMS: 72.625,38.875 73.25,38.875 73.775,38.35 73.775,38.05 72.825,38.05 72.651,38.224
  region net VCC1P25_LMS: 82.075,29.6 82.675,30.2 82.75,30.2 82.75,30.752 82.689,30.814 81.325,30.814 81.325,30.425 81.775,29.975 81.775,29.6
  region net NetC46_1: 75.875,21.6 75.875,22.55 75.775,22.65 75.925,22.8 75.975,22.8 76.575,22.2 76.7,22.2 76.25,21.75 76.25,21.6
  region net VCC1P25_LMS: 78.575,25.925 77.95,25.925 77.775,25.75 77.775,25.35 77.6,25.175 77.6,24.05 77.275,23.725 76.975,23.725 76.825,23.575 76.825,23.225 77.425,22.625 78.925,22.625 79.25,22.95 79.25,23.35 78.575,24.025
  region net VCC3P3: 47.55,56.2 47.55,57.975 47.2,58.325 46.2,58.325 46.075,58.2 46.075,56.6 46.475,56.2
  region net VCC2P5: 49.225,3.275 49.4,3.1 49.4,2.225 49.05,1.875 47.95,1.875 47.6,2.225 47.625,2.25 47.625,3.075 47.825,3.275
  region net VCC2P5: 42.95,10.025 44.15,10.025 44.8,10.675 44.8,11.275 44.175,11.9 43.275,11.9 42.825,11.45 42.825,10.15
  region net VCC2P5A: 44.1,13.375 44.45,13.025 49.525,13.025 49.675,12.875 49.675,11.1 49.475,10.9 45.35,10.9 44.225,12.025 43.05,12.025 42.825,12.25 42.825,13.225 42.975,13.375
  region net VCC1P2D: 37.425,21.925 37.425,22.025 37.1,22.35 37.25,22.5 37.25,23.325 37.825,23.325 37.925,23.225 37.925,21.925
  region net VCC1P8_LMS: 61.9,8.9 62.1,8.7 62.1,7.2 61.9,7 61.125,7 60.925,7.2 60.925,8 61.1,8.175 61.1,8.9
  region net NetC270_2: 26.975,9.075 27.15,9.25 30.125,9.25 30.125,9.2 30.3,9.025 30.3,7.275 29.775,7.275 29.65,7.4 29.65,7.725 29.375,8 27.25,8 26.975,8.275
  region net NetIC28_4: 27.175,7.65 29.375,7.65 29.375,7.025 29.85,6.55 29.85,5.85 28.15,5.85 28.15,6.55 27.825,6.875 27.4,6.875 27.175,7.1
  region net VCC1P8: 30.7,9.025 30.425,9.3 30.325,9.3 30.125,9.5 30.125,9.775 31.75,9.775 31.75,9.325 31.475,9.325 31.4,9.25 31.4,8.65 31.5,8.55 31.9,8.55 31.9,7.825 31.4,7.825 30.7,7.825
  region net VCC3P3: 29.375,9.625 29.375,11.45 26.15,11.45 25.025,10.325 25.025,9.15 26.7,9.15 27.175,9.625
  region net VCC3P3: 61.3,14.875 57.5,14.875 57.5,15.7 57.65,15.85 61.025,15.85 61.3,15.575
  region net VCC_EXT: 11.338,9.963 11.338,9.238 11.388,9.188 12.463,9.188 12.788,9.513 12.788,9.963
  region net VCC_INT: 11.338,8.763 11.338,9.013 11.413,9.088 12.588,9.088 13.013,9.513 13.438,9.513 13.663,9.288 13.663,8.463 13.413,8.213 12.588,8.213 12.488,8.313 12.213,8.313 12.138,8.388 12.138,8.613 12.038,8.713 11.388,8.713
  region net VCC5P0_USB: 11.338,7.363 11.338,8.213 11.438,8.313 12.013,8.313 12.113,8.213 12.438,8.213 12.638,8.013 13.613,8.013 13.613,7.363 13.513,7.263 11.438,7.263
  region net GND: 10.538,9.113 11.163,9.113 11.238,9.038 11.238,7.713 11.163,7.638 10.688,7.638 10.438,7.888 10.438,9.013
  region net VCC_INT: 13.013,9.513 13.013,9.987 12.575,10.425 12.575,11.175 15.975,11.175 16.7,10.45 16.7,9.25 16.25,8.8 14,8.8 13.663,8.463
  region net VCC_EXT: 12.788,9.963 12.675,10.075 10.575,10.075 10.45,9.95 10.45,9.7 10.625,9.525 11.325,9.525 11.538,9.313
  region net VDD_FX3: 1.475,22.125 5.8,22.125 5.95,21.975 5.95,20.85 5.8,20.7 1.662,20.7 1.475,20.887
  region net NetC276_2: 52.25,6.925 52.175,6.85 52.175,5.525 52.425,5.275 53.45,5.275 53.575,5.4 53.575,6.875 53.525,6.925
  region net VCC3P3: 61.525,31.1 61.525,32.35 61.15,32.725 60.65,32.725 60.4,32.475 60.4,31.175 60.475,31.1
  region net VCC3P3_SI: 24.65,45.25 24.65,45.95 24.525,46.075 23.075,46.075 22.875,45.875 22.875,45.25
  region net VCC3P3_CLK: 24.25,46.875 24.35,46.775 24.85,46.775 24.95,46.675 24.95,46.375 24.8,46.225 23.3,46.225 23.3,46.55 23.625,46.875
  region net VCC3P3_SI: 22.9,46.925 23.1,46.725 23.1,46.225 23.3,46.025 23.3,45.8 23.075,45.575 22.875,45.575 22.675,45.775 22.675,45.925 22.425,46.175 22.4,46.175 22.3,46.275 22.3,46.925
  region net VCC1P8: 26.875,14.1 27.1,13.875 27.55,13.875 27.65,13.775 28.525,13.775 28.525,14.85 28.5,14.875 27.075,14.875 26.875,14.675
  region net VCC_EXT: 10.1,4.275 10.1,5.975 9.875,6.2 7.1,6.2 6.875,5.975 6.875,4.05 7.15,3.775 9.6,3.775
  region net VCC_INT: 15.9,7.075 15.5,7.475 15.5,8.275 14.9,8.875 14.9,9.15 15,9.25 16.7,9.25 17.15,8.8 17.15,7.475 16.75,7.075
  region net VDIO_LMS_LMK: 22.9,56.7 22.9,56.025 23.35,55.575 23.35,54.575 23.425,54.5 23.65,54.5 23.725,54.575 23.725,55.35 23.925,55.55 23.925,56.1 24.237,56.412 24.237,56.987 23.887,56.987 23.6,56.7
  region net VCC1P8_DDR2: 36.725,57.75 36.35,58.125 34.85,58.125 34.8,58.075 34.8,56.1 34.975,55.925 36.625,55.925 36.725,56.025
  region net GND: 98.15,45.125 98.15,1.27 99.716,1.27 99.716,45.125
  region net GND: 98.566,0.225 98.766,0.225 ccw(c98.766,1.25) 99.791,1.25 99.791,1.525 98.566,1.525
  region net GND: 1.45,0.225 1.25,0.225 cw(c1.25,1.25) 0.225,1.25 0.225,1.525 1.45,1.525
  region net GND: 1.45,59.775 1.25,59.775 ccw(c1.25,58.75) 0.225,58.75 0.225,58.475 1.45,58.475
  region net GND: 98.566,59.775 98.766,59.775 cw(c98.766,58.75) 99.791,58.75 99.791,58.475 98.566,58.475

## Silkscreen, mask and mechanical layers (free items; w line width, h text height)
TopOverlay:
  drawing of 2376 lines, arcs and shapes, not listed
  text "1" at 59.77,54.925 h0.55
  text "2" at 61.025,54.925 h0.55
  text "1" at 55.225,54.9 h0.55
  text "2" at 57.75,54.9 h0.55
  text "FPGA2" at 0.175,52.775 h0.6
  text "LEDS1" at 3.825,52.15 h0.55
  text "FPGA1" at 0.2,51.75 h0.6
  text "PWR" at 0.2,50.775 h0.6
  text "FPGA" at 8.625,50.35 h0.7
  text "FPGA" at 17.7,50.35 h0.7
  text "JTAG" at 20.825,50.35 h0.7
  text "LEDS2" at 3.8,50.125 h0.55
  text "FX3" at 0.225,49.725 h0.6
  text "GPIO" at 8.725,49.2 h0.7
  text "REF" at 10.45,47.45 h0.75
  text "RXRF2_L" at 96.475,47.025 h0.9 r90
  text "RXRF1_L" at 71.525,46.95 h0.9 r90
  text "RXRF1_H" at 69.95,46.8 h0.9 r90
  text "RXRF1_W" at 82.375,46.45 h0.9 r90
  text "RFRX2_H" at 88.675,46.1 h0.9 r90
  text "CLK" at 10.4,46.075 h0.75
  text "J19,J20" at 62.175,45.475 h0.75 r90
  text "3.3V FAN" at 60.8,45.075 h0.75 r90
  text "RXRF2_W" at 98.325,42.775 h0.9 r90
  text "FX3 BOOT" at 0.2,37.95 h0.7
  text "FX3" at 18.925,37.95 h0.75
  text "RST" at 21.4,37.95 h0.75
  text "o" at 58.7,33.175 h1.2 r90
  text "t" at 59.516,32.443 h2.1 r90
  text "v1.2s" at 97.975,31.45 h2.5 r90
  text "C" at 99.025,30.575 h1.2 r90
  text "USB3.0" at 8.575,27 h0.9 r90
  text "FX3 JTAG" at 10.325,24.675 h0.8
  text "LMS7002M" at 84.525,24.4 h0.9 r90
  text "LimeSDR" at 97.975,20.475 h2.5 r90
  text "ALTERA CYCLONE IV" at 57.85,18.7 h0.9 r90
  text "FPGA MSEL" at 43.125,16.925 h0.75
  text "VCC" at 2.725,16.375 h0.75
  text "VCC" at 5.4,16.375 h0.75
  text "GND" at 0.225,16.35 h0.75
  text "3" at 44.175,15.6 h0.75
  text "2" at 45.3,15.6 h0.75
  text "1" at 46.475,15.6 h0.75
  text "0" at 47.45,15.6 h0.75
  text "EXT" at 2.7,15.1 h0.75
  text "INT" at 5.5,15.1 h0.75
  text "0" at 48.6,14.475 h0.75
  text "1" at 48.75,11.3 h0.75
  text "6V-12V" at 11.8,9.15 h0.75 r90
  text "TXRF1_A" at 97.45,9.05 h0.9 r90
  text "TXRF2_A" at 95.625,6.4 h0.9 r90
  text "TXRF2_B" at 70.325,4.025 h0.9 r90
  text "TXRF1_B" at 83.075,1.925 h0.9 r90
  text "FPGA MSEL" at 68.225,1.5 h0.8
BottomOverlay:
  drawing of 819 lines, arcs and shapes, not listed
  text "DDR2 #1" at 31.775,50.8 h0.7 r90
  text "DDR2 #2" at 59.375,50 h0.7 r90
  text "XT2-XT4" at 19.525,45.95 h0.55
  text "components" at 43.075,41.625 h0.6
  text "Unmarked" at 48.6,41.5 h0.6
  text "are cap-s" at 42.475,40.375 h0.6
Mechanical1:
  lines w0.2: 216.975,-70.15 216.975,-58.3 ; 216.975,-55.3 216.975,-43.45 ; 205.525,-58.3 205.525,-55.3 ; 205.525,-58.3 233.275,-58.3 ; 205.525,-58.3 205.525,-70.15 233.275,-70.15 233.275,-58.3 ; 205.525,-55.3 233.275,-55.3 ; 205.525,-55.3 205.525,-43.45 ; 205.525,-43.45 233.275,-43.45 ; 205.525,-43.45 205.525,-40.45 233.275,-40.45 233.275,-43.45 ; 233.275,-58.3 233.275,-55.3 ; 233.275,-55.3 233.275,-43.45
  lines w0.3: 1.27,60 ccw(c1.27,58.73) 0,58.73 0,1.27 ccw(c1.27,1.27) 1.27,0 98.73,0 ccw(c98.73,1.27) 100,1.27 100,58.73 ccw(c98.73,58.73) 98.73,60 ; 18.2,0 18.2,-3.675 -3.675,-3.675 -3.675,32.1 -3.675,63.675 18.2,63.675 18.2,60 ; 22.4,0 22.4,-3.675 77.6,-3.675 77.6,0 ; 22.4,60 22.4,63.675 77.6,63.675 77.6,60 ; 81.8,0 81.8,-3.675 103.675,-3.675 103.675,63.675 81.8,63.675 81.8,60 ; -9.2,-9.2 -9.2,69.2 109.2,69.2 109.2,-9.2 -9.2,-9.2
  lines w0.309: 1.27,60 98.73,60
  lines w0.5: 93.875,-73.725 195.875,-73.725 ; 94.3,-60.7 196.3,-60.7
  text "Board Cutout" at 43.625,70.775 h1.5
  text "VERY IMPORTANT NOTES:" at 3,-15 h1.5
  text "- 0.35mm ring and 0.2mm drill via-in-pads (IC1) must be resin filled with metal cap / - Solder mask : DARK BLUE, both sides, halogen free, glossy finish (NOT matte) / - DRCs must be run on Gerber files before building boards / - Hole diameters are final manufactured diameters INCLUDING HOLE METALIZATION." at 4.5,-28.5 h1.5
  text "NOTES:" at 4.725,-33.525 h1.5
  text "STACKUP:" at 5.8,-38.45 h1.52
  text "PCB IMPEDANCE PARAMETERS:" at 89.975,-39.575 h1.5
  text "Top-L2 -> 173um thick" at 94.8,-42.2 h1.5
  text "ADDITIONAL LAYERS:" at 39.3,-42.45 h1.52
  text "FOOTPRINT STATUS" at 211.65,-42.65 h1.1
  text "Top: RF/GND" at 8.725,-42.825 h1.52
  text "TOP LAYER COPPER FOIL THICKNESS: 17.5 um" at 95.05,-44.95 h1.5
  text "L2: GND" at 8.75,-45.85 h1.52
  text "Mechanical 1: Board cutout" at 40.8,-45.95 h1.52
  text "2015-12-20" at 219.65,-45.95 h1.1
  text "INITIAL:" at 206.375,-46.075 h1.1
  text "Er(Top-L2) = 4.2" at 95.3,-47.7 h1.5
  text "L3: PWR/Signal/GND" at 8.75,-48.85 h1.52
  text "ASM TOP: Assembly top" at 40.8,-48.95 h1.52
  text "2015-10-21" at 219.425,-49.8 h1.1
  text "CHECKED:" at 206.525,-49.85 h1.1
  text "L4: Signal/PWR/GND" at 8.75,-51.85 h1.52
  text "ASM BOT: Assembly bottom" at 40.8,-51.95 h1.52
  text "L11-Bottom -> 173um thick" at 94.8,-52.2 h1.5
  text "2015-10-22" at 219.4,-53.725 h1.1
  text "RECHECKED:" at 206.5,-53.75 h1.1
  text "L5: PWR/GND" at 8.85,-54.85 h1.52
  text "Mechanical 13: Component 3D body" at 40.8,-54.95 h1.52
  text "BOTTOM LAYER COPPER FOIL THICKNESS: 17.5 um" at 95.05,-54.95 h1.5
  text "LAYOUT STATUS" at 211.65,-57.15 h1.1
  text "L6: Signal/GND" at 8.75,-57.7 h1.52
  text "Er(L11-Bottom) = 4.2" at 95.3,-57.7 h1.5
  text "L7: GND" at 8.85,-60.7 h1.52
  text "INITIAL:" at 206.375,-60.925 h1.1
  text "2016-02-20" at 219.35,-61.1 h1.1
  text "L8: Signal" at 8.675,-63.675 h1.52
  text "DIF. PAIR WIDTH: 0.2mm" at 95.225,-63.825 h1.5
  text "SE TRACK WIDTH: 0.309mm" at 155.225,-63.825 h1.5
  text "CHECKED:" at 206.525,-64.7 h1.1
  text "2016-02-22" at 219.35,-64.825 h1.1
  text "L9: Signal" at 8.775,-66.25 h1.52
  text "DIF. PAIR SPACING: 0.14mm" at 95.3,-66.45 h1.5
  text "SE IMPEDANCE: 49.9998 Ohms" at 155.3,-66.7 h1.5
  text "RF" at 93.55,-68.45 h2 r90
  text "RECHECKED:" at 206.5,-68.6 h1.1
  text "2016-02-25" at 219.475,-68.725 h1.1
  text "L10: CLK/Signal" at 8.85,-68.9 h1.52
  text "DIFFERENTIAL IMPEDANCE: 100.752 Ohms" at 95.3,-69.2 h1.5
  text "TOLERANCE: +/- 10%" at 155.3,-69.7 h1.5
  text "L11: GND" at 8.9,-71.7 h1.52
  text "TOLERANCE: +/- 10%" at 95.3,-72.2 h1.5
  text "Bottom: Signal/PWR/GND" at 9.05,-74.325 h1.52
  text "DIF. PAIR WIDTH: 0.2mm" at 95.275,-76.85 h1.5
  text "DIF. PAIR SPACING: 0.1mm" at 95.35,-79.475 h1.5
  text "DIFFERENTIAL IMPEDANCE: 90.5 Ohms" at 95.35,-82.225 h1.5
  text "TOLERANCE: +/- 10%" at 95.35,-85.225 h1.5
  text "USB3.0" at 93.65,-85.95 h2 r90
  text "INTERNAL LAYER COPPER FOIL THICKNESS: 33 um" at 95.575,-91.225 h1.5
ASM BOT:
  drawing of 176 lines, arcs and shapes, not listed
  text "IC13" at 25.275,66.575 h1
  text "IC16" at 16.5,66.1 h1
  text "Assembly bottom" at 55.975,61.65 h1.25
  text "or" at 14.975,43.4 h0.55
  text "or" at 17.975,43.375 h0.55
  text "C299" at 33.5,-20.575 h1
ASM TOP:
  circle w0.4: c-20.575,59.05 r0.19
  circle w0.4: c-20.575,57.825 r0.19
  circle w0.4: c9.5,29.875 r0.025
  lines w0.1: -21.025,56.325 -20.6,56.75 ; -20.6,47.825 -20.6,56.75 ; -20.175,56.325 -20.6,56.75 ; 12.3,36.7 13.2,35.5 ; 14.775,45.3 16.275,45.575 ; 16.675,43.975 17.45,43.925 ; 17.102,41.646 18.7,42.475 ; 17.125,36.825 17.4,38.425 ; 18,48.075 18.225,46.8 ; 19.225,45.175 19.525,46.975 ; 20.275,48.6 22.15,49.225 ; 20.4,45.275 20.425,44.15 24.125,44.15 ; 22.45,45.05 23.9,45.025 ; 23,46.125 24.325,46.175 ; -21.175,57.4 -21.175,59.625 -19.975,59.625 -19.975,57.4 -20.3,57.075 -20.85,57.075 -21.175,57.4
  lines w0.15: -11.9,42.4 -0.05,42.4 ; -11.8,43.025 -0.075,47.525 ; -5.95,38.825 3.95,38.825 ; -1.6,40.075 1.125,41.425 ; 1.4,48.65 1.5,50.05 ; 1.55,23.575 -10.1,31.775 1.625,36.275 ; 2.375,40.15 2.775,41.4 ; 2.725,48.7 2.825,49.925 ; 5.3,46.725 8.875,48.25 7.475,48.225 ; 5.775,42.15 8.825,42.55 7.375,42.725 ; 12.15,8.325 13.95,8.325 ; 14.275,1.775 14.95,3.6 ; 14.95,6 15.7,5.4 ; 15.125,8.3 15.125,9.925 ; 17.8,35.475 18.175,37.05 ; 22.475,42.125 22.95,42.075 ; 40.675,58.35 41.425,57.15 ; 41.925,55.55 42.25,55.025 ; 42.275,58.5 42.475,57.15 ; 42.475,-4.2 39.95,-4.2 39.95,11.9 43.225,11.9 ; 43.125,50.875 43.2,49.7 ; 43.35,45.725 44.5,45.6 ; 43.85,8.125 43.225,8.125 43.225,16 43.775,16 49.175,16 49.175,11.075 48.125,11.075 48.125,8.2 47.8,8.2 ; 44.35,53.55 45.525,53.55 ; 44.575,51.9 45.175,52.025 ; 45.9,50 46.525,50.625 ; 46.45,48.375 46.7,47.2 ; 49.2,9.35 50.3,9.35 ; 89.025,27.9 93.775,29.6 ; 42.475,-8.925 42.475,-0.325 43.725,-0.325 48.975,-0.325 48.975,-8.925 42.475,-8.925
  lines w0.3: 1.275,60 ccw(c1.275,58.73) 0.005,58.73 0.005,1.27 ccw(c1.275,1.27) 1.275,0 98.735,0 ccw(c98.735,1.27) 100.005,1.27 100.005,58.73 ccw(c98.735,58.73) 98.735,60
  lines w0.309: 1.275,60 98.735,60
  text "Assembly top" at 40.35,61.65 h1.25
  text "ASSEMBLY NOTE: / Orientation for throughole LEDs (LED2, LED3, LED6, LED7). / More info in part datasheet" at -27.225,60.025 h0.55
  text "Green Anode" at -27.525,58.775 h0.55
  text "Green Cathode" at -28.9,57.55 h0.55
  text "ASSEMBLY NOTE: / LEDS1 and LEDS2 - for both parts mount throughole LEDs (LED2, LED3, LED6, LED7) in plastic LED holder (LEDS1 and LEDS2). Two LEDs in one holder" at -25.875,40.525 h0.55
  text "ASSEMBLY NOTE: / J13 jumper must be shorted out" at -14.725,36.525 h0.55
  text "ASSEMBLY NOTE: / J11 mechanical mechanical holes must be soldered for mechanical durability." at -27.225,28.425 h0.55

## Text inside footprints (layer, text, board x,y; h text height)
J1: ASM TOP "in" at 94.425,19.15 h0.55
J2: ASM TOP "in" at 78.34,6.75 h0.55
J3: ASM TOP "in" at 90.575,8.425 h0.55
J4: ASM TOP "in" at 65.525,8.525 h0.55
J5: ASM TOP "in" at 72.7,53.075 h0.55
J6: ASM TOP "in" at 91.675,49.025 h0.55
J7: ASM TOP "in" at 66.175,53.3 h0.55
J8: ASM TOP "in" at 85.55,52.875 h0.55
J9: ASM TOP "in" at 79.1,53.05 h0.55
J10: ASM TOP "in" at 94.95,38.775 h0.55
J12: TopOverlay "1" at 9.75,17 h0.65 r90; TopOverlay "9" at 16.325,18.15 h0.65 r90; TopOverlay "2" at 9.85,24.975 h0.65 r90; TopOverlay "10" at 14.95,24.975 h0.65 r90
J14: ASM TOP "in" at 14.5,47.15 h0.55
J17: TopOverlay "1" at 16.1,57.5 h0.65; TopOverlay "9" at 15.85,51.775 h0.65; TopOverlay "2" at 24.025,57.575 h0.65; TopOverlay "10" at 23.975,51.5 h0.65
J18: TopOverlay "1" at 6.15,57.525 h0.65; TopOverlay "9" at 7.2,50.675 h0.65; TopOverlay "2" at 14,57.5 h0.65; TopOverlay "10" at 14,51.8 h0.65
L1: ASM TOP "no polarity" at 22.35,14.175 h0.6
L2: ASM TOP "no polarity" at 34.575,14.5 h0.6
LED1: ASM TOP "A" at 0.825,48.475 h0.55 r270; ASM TOP "C" at 0.825,46.675 h0.55 r270
LED4: ASM TOP "C" at 2.475,46.675 h0.55 r270; ASM TOP "A" at 2.475,48.475 h0.55 r270
LED5: ASM TOP "A" at 0.825,43.9 h0.55 r270; ASM TOP "C" at 0.825,42.1 h0.55 r270
LED8: ASM TOP "C" at 2.5,42.1 h0.55 r270; ASM TOP "A" at 2.5,43.9 h0.55 r270
LEDS1: ASM TOP "A" at 7.7,48.4 h0.55 r90; ASM TOP "C" at 7.8,46 h0.55 r90; ASM TOP "A" at 5.2,48.4 h0.55 r90; ASM TOP "C" at 5.3,45.9 h0.55 r90; ASM TOP "PCB edge" at -0.375,45.575 h0.5 r90
LEDS2: ASM TOP "PCB edge" at -0.35,40.875 h0.5 r90; ASM TOP "C" at 5.3,41.275 h0.55 r90; ASM TOP "A" at 5.2,43.775 h0.55 r90; ASM TOP "C" at 7.8,41.375 h0.55 r90; ASM TOP "A" at 7.7,43.775 h0.55 r90
VD1: ASM TOP "C" at 8.3,4.575 h0.55; ASM TOP "A" at 12.2,4.575 h0.55